# KiCad board cpu2.kicad_pcb (continued)
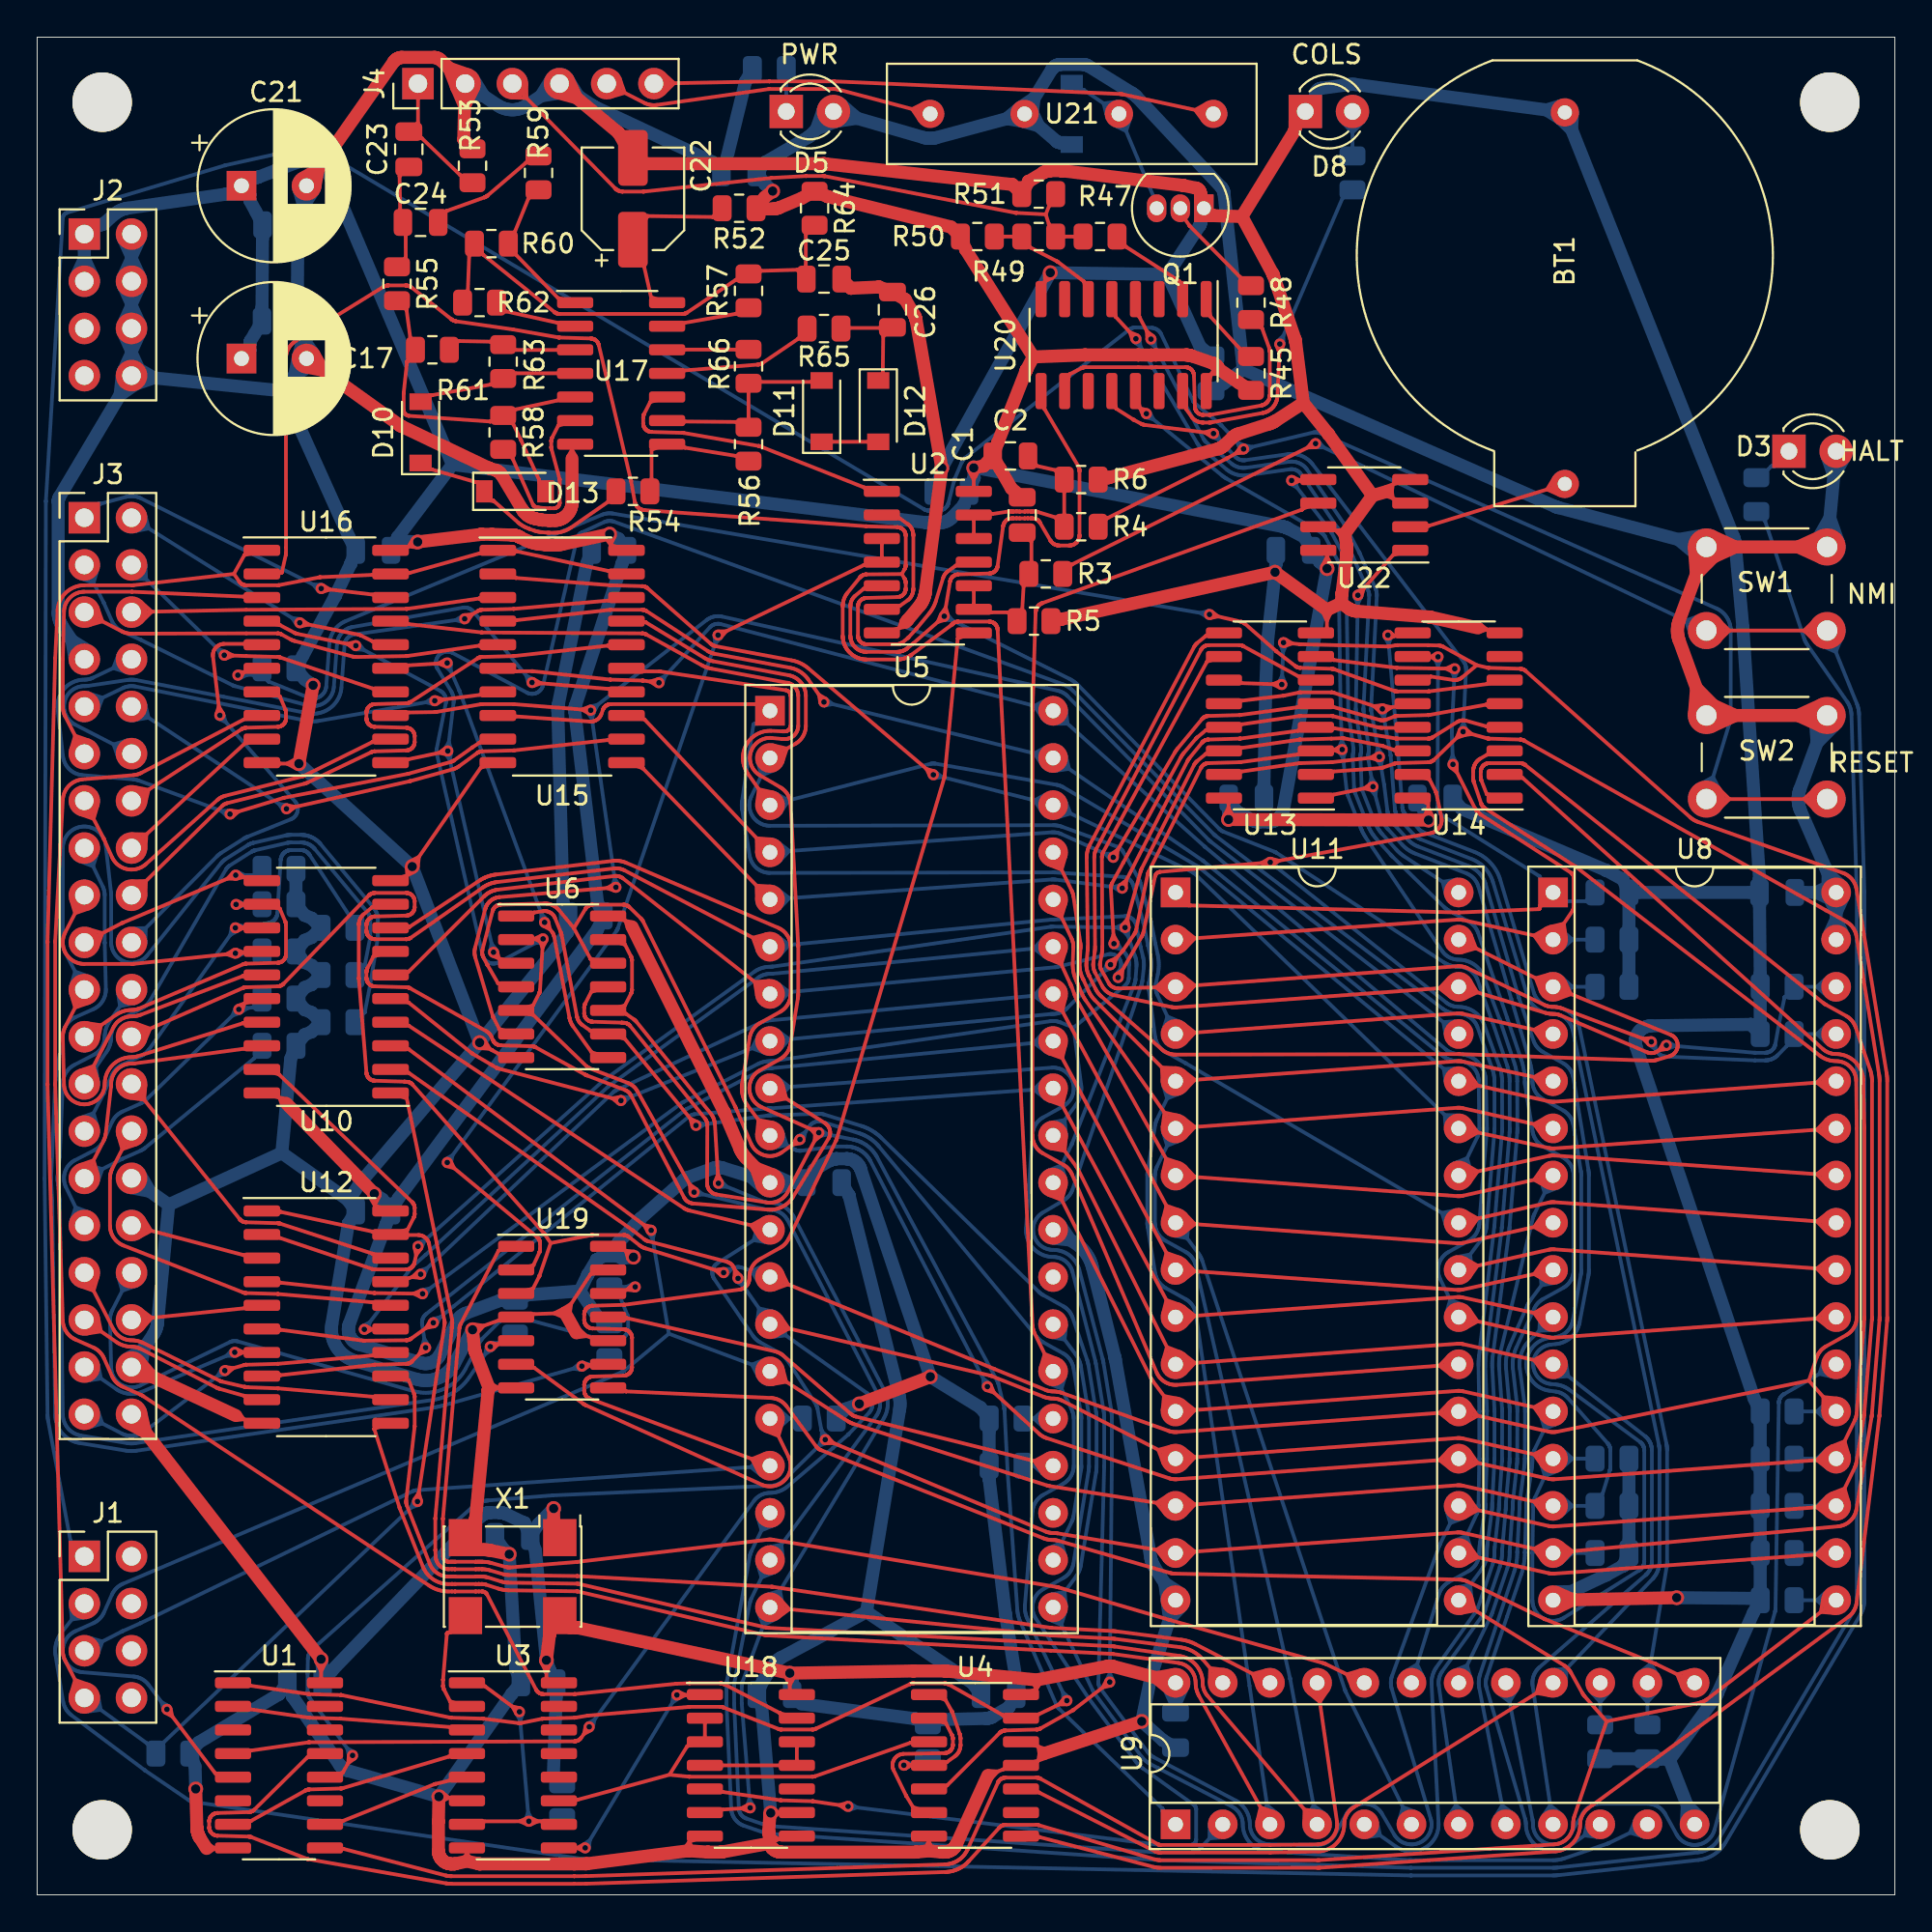
[diagram p0: board, top side]
## Routing (per net, layer and track width the routed paths; a pad name or vN(x,y) marks a point on that pad's centre or on a via; arc(x,y) is an arc through that point) (continued)
D6: length 163.6
  Top w0.2: 39.58,41.57 38.83,41.71 38.75,40.95 ; 77.09,23.88 77.53,23.25 76.87,22.87 ; 76.09,22.93 75.48,23.4 76.01,23.96 ; 39.45,40.88 38.23,42.51 38.19,42.57 38.15,42.64 38.11,42.7 38.07,42.77 38.04,42.84 38.02,42.91 37.99,42.98 37.97,43.06 37.96,43.13 37.94,43.21 37.93,43.28 37.93,43.36 37.93,43.44 37.93,43.51 37.94,43.59 37.95,43.66 38.35,46.14 38.36,46.2 38.38,46.25 38.4,46.31 38.42,46.36 38.44,46.42 38.46,46.47 38.49,46.52 38.52,46.57 38.56,46.62 38.59,46.67 38.63,46.71 38.67,46.75 38.72,46.79 38.76,46.83 38.81,46.87 38.86,46.9 38.91,46.93 39.99,47.53 40.04,47.56 40.09,47.6 40.14,47.63 40.19,47.67 40.24,47.72 40.28,47.76 40.32,47.81 40.36,47.86 40.39,47.91 40.42,47.96 40.45,48.02 40.47,48.08 40.5,48.13 40.52,48.19 40.53,48.25 40.54,48.31 40.55,48.37 40.56,48.44 40.56,48.5 40.56,51.04 40.56,51.1 40.55,51.16 40.54,51.22 40.53,51.28 40.52,51.34 40.5,51.4 40.48,51.46 40.45,51.52 40.42,51.57 40.39,51.62 40.36,51.68 40.32,51.73 40.28,51.77 40.24,51.82 40.2,51.86 40.15,51.9 40.1,51.94 40.05,51.97 40,52 39.94,52.03 39.89,52.06 31.72,55.55 31.65,55.58 31.59,55.6 31.53,55.62 31.46,55.64 31.39,55.65 31.33,55.66 31.26,55.66 31.19,55.67 31.12,55.67 31.06,55.67 30.99,55.66 24.71,54.93 24.66,54.92 24.61,54.91 24.57,54.9 24.52,54.89 24.48,54.88 24.43,54.87 24.4,54.87 24.35,54.85 24.3,54.83 24.24,54.82 24.19,54.8 24.14,54.77 24.09,54.75 24.05,54.74 24.01,54.71 23.97,54.69 23.93,54.67 23.89,54.65 23.85,54.62 23.81,54.6 20.07,52.12 20.05,52.11 20.03,52.11 20.01,52.11 19.91,52.11 19.02,52.06 ; 96.33,23.96 95.8,23.4 96.41,22.93 ; 79,60.31 79.96,60.12 79.97,60.12 96.12,45.54 96.16,45.5 96.2,45.47 96.24,45.44 96.29,45.41 96.33,45.39 96.38,45.36 96.43,45.34 96.48,45.32 96.53,45.31 96.58,45.29 96.63,45.28 96.68,45.27 96.73,45.27 96.79,45.26 96.84,45.26 96.92,45.26 97.01,45.25 97.09,45.24 97.17,45.22 97.25,45.2 97.33,45.17 97.41,45.14 97.49,45.11 97.56,45.07 97.63,45.03 97.7,44.98 97.77,44.93 97.83,44.87 97.89,44.81 97.95,44.75 98,44.69 98.05,44.62 98.09,44.55 98.13,44.48 98.17,44.4 98.2,44.32 98.23,44.25 98.25,44.17 98.27,44.08 98.29,44 98.3,43.92 98.3,43.83 98.36,41.3 98.36,41.26 98.36,31.1 98.36,31.05 98.36,31 98.36,30.98 97.95,25.93 97.94,25.88 97.94,25.84 97.93,25.79 97.92,25.75 97.9,25.71 97.89,25.66 97.88,25.62 97.86,25.58 97.84,25.53 U8.20 81.68,22.37 81.64,22.37 81.6,22.37 81.56,22.37 81.52,22.37 81.48,22.38 81.44,22.38 81.4,22.39 81.36,22.4 U11.20 61.36,22.37 61.31,22.37 61.26,22.37 61.22,22.37 61.17,22.38 61.12,22.38 61.07,22.39 61.03,22.4 60.98,22.41 60.93,22.43 54.34,24.58 54.3,24.6 54.26,24.62 54.21,24.64 54.17,24.66 54.13,24.68 54.09,24.7 54.05,24.73 54.01,24.76 53.98,24.79 53.94,24.82 v2(51.15,27.36) ; 96.58,24.13 97.29,24.42 97.51,23.68 ; 51.09,27.17 51.51,27.04 51.34,27.44
  Bottom w0.2: 51.27,27.52 50.93,27.79 50.95,27.35 ; R35.1 U8.20 ; 39.45,40.88 40.76,40.13 40.79,40.12 40.81,40.11 40.84,40.09 40.87,40.08 40.9,40.08 40.93,40.07 40.96,40.06 40.99,40.06 41.02,40.05 41.05,40.05 41.08,40.05 41.11,40.05 41.14,40.06 42.86,40.27 42.9,40.28 42.95,40.28 42.99,40.28 43.04,40.29 43.06,40.29 43.56,40.29 43.6,40.28 43.64,40.28 43.71,40.28 43.75,40.27 43.78,40.27 43.81,40.26 43.85,40.26 43.88,40.25 43.91,40.24 43.96,40.23 43.99,40.22 44.03,40.21 44.06,40.2 44.09,40.18 44.13,40.17 44.16,40.16 44.2,40.14 44.23,40.12 44.26,40.11 44.29,40.09 44.32,40.07 44.35,40.05 44.38,40.03 44.42,40 44.45,39.98 44.48,39.96 44.5,39.94 44.53,39.92 44.56,39.89 44.58,39.87 44.61,39.84 44.64,39.81 44.66,39.79 44.68,39.76 44.71,39.73 44.73,39.7 44.75,39.68 44.77,39.64 44.79,39.61 44.81,39.59 44.83,39.56 44.84,39.53 44.86,39.5 v2(51.15,27.36) ; 96.37,24 95.8,23.48 96.37,22.96 ; 40.11,41.1 40.35,40.36 39.6,40.2
D7: length 160.3
  Top w0.2: 76.87,25.41 77.53,25.79 77.09,26.42 ; 27.64,35.09 27.04,33.34 27.03,33.31 27.02,33.27 26.7,32.64 U19.3 ; 27.64,35.09 27.33,35.54 27.31,35.58 27.29,35.61 27.26,35.63 20.21,43.62 20.19,43.63 20.17,43.66 20.15,43.67 20.12,43.7 20.09,43.71 20.06,43.73 20.04,43.74 20.02,43.74 19.98,43.75 19.93,43.76 19.93,43.76 ; 27.64,35.09 29.82,35.51 29.86,35.52 29.9,35.52 29.91,35.52 31.56,35.52 31.59,35.52 31.62,35.52 31.65,35.51 31.67,35.51 31.7,35.5 31.73,35.49 31.77,35.47 ; 31.77,35.47 31.79,35.46 31.81,35.44 31.85,35.42 32.42,34.97 32.46,34.94 32.49,34.92 32.53,34.9 32.56,34.88 32.6,34.86 32.64,34.84 32.67,34.82 32.71,34.81 32.75,34.8 v2(36.95,33.49) ; 77.89,58.52 77.93,58.5 82.79,55.37 82.82,55.34 82.84,55.33 95.95,45.19 96.01,45.14 96.07,45.1 96.13,45.06 96.2,45.03 96.26,45 96.33,44.97 96.4,44.95 96.47,44.93 96.55,44.91 96.62,44.9 96.69,44.89 96.77,44.88 96.84,44.88 96.9,44.88 96.96,44.87 97.03,44.86 97.09,44.85 97.15,44.84 97.21,44.82 97.26,44.79 97.32,44.77 97.38,44.74 97.43,44.7 97.48,44.67 97.53,44.63 97.58,44.59 97.62,44.55 97.66,44.5 97.7,44.45 97.74,44.4 97.77,44.35 97.8,44.29 97.83,44.24 97.85,44.18 97.87,44.12 97.89,44.06 97.9,44 97.91,43.94 97.92,43.88 97.92,43.81 97.95,41.27 97.95,41.26 97.95,31.1 97.95,31.04 97.94,30.98 97.93,30.91 97.92,30.85 97.91,30.79 97.89,30.73 97.87,30.68 97.84,30.62 97.81,30.56 97.78,30.51 97.75,30.46 97.71,30.41 97.67,30.36 97.63,30.32 97.58,30.27 97.53,30.23 97.48,30.2 97.43,30.16 97.38,30.13 96.3,29.53 96.25,29.5 96.21,29.47 96.16,29.44 96.12,29.41 96.08,29.37 96.04,29.33 96,29.29 95.97,29.25 95.94,29.2 95.91,29.16 95.88,29.11 95.85,29.06 95.83,29.02 95.81,28.96 95.79,28.91 95.37,27.68 ; 39.69,32.6 40.41,32.86 40.08,33.56 ; 76.09,25.47 75.48,25.94 76.01,26.5 ; U5.13 51.54,28.3 51.54,28.3 54.28,27.18 54.32,27.16 54.37,27.15 54.41,27.14 54.46,27.12 54.5,27.12 54.55,27.11 54.6,27.1 54.64,27.1 54.74,27.1 54.8,27.09 54.86,27.09 54.91,27.08 54.96,27.07 55.02,27.06 55.07,27.05 55.13,27.03 55.18,27.01 60.91,24.97 60.95,24.96 61,24.95 61.04,24.94 61.09,24.93 61.13,24.92 61.18,24.91 61.22,24.91 61.27,24.91 61.31,24.91 61.36,24.91 U11.21 81.36,24.94 81.4,24.93 81.45,24.92 81.5,24.91 81.54,24.91 81.59,24.91 81.64,24.91 81.68,24.91 81.73,24.92 81.77,24.92 81.82,24.93 95.37,27.68 ; 36.93,33.69 36.5,33.64 36.82,33.35 ; 95.37,27.68 U8.21 ; 79,61.58 78.03,61.37 77.68,61.16 77.65,61.14 77.62,61.12 77.59,61.1 77.57,61.08 77.54,61.06 77.52,61.03 77.5,61.01 77.48,60.98 77.46,60.96 77.44,60.93 77.42,60.9 77.4,60.87 77.39,60.84 77.37,60.81 77.37,60.79 77.36,60.78 77.35,60.76 77.34,60.74 77.34,60.72 77.33,60.67 77.32,60.65 77.32,60.63 77.31,60.61 77.31,60.59 77.31,60.57 77.3,60.52 77.3,60.48 77.3,60.46 77.3,60.16 77.3,60.12 77.3,60.07 77.31,60.05 77.31,60.03 77.31,60.01 77.32,59.99 77.32,59.97 77.34,59.91 77.35,59.88 77.73,58.74 77.75,58.71 77.76,58.67 77.78,58.65 77.8,58.61 77.82,58.59 77.84,58.57 77.86,58.55 77.88,58.53 77.89,58.52 ; 96.14,26.03 96.15,26.8 96.92,26.72 ; U10.9 18.03,53.16 18.03,53.16 17.58,52.79 17.55,52.76 17.52,52.73 17.5,52.71 17.47,52.68 17.45,52.65 17.43,52.62 17.41,52.58 17.39,52.55 17.38,52.52 17.36,52.48 17.35,52.45 17.34,52.41 17.33,52.37 17.32,52.33 17.32,52.3 17.32,52.25 17.31,52.22 17.31,52.2 17.31,49.36 17.32,49.33 17.32,49.31 17.73,44.26 17.73,44.22 17.73,44.2 17.74,44.18 17.75,44.14 17.76,44.12 17.77,44.08 17.79,44.05 17.8,44.03 17.82,44 17.84,43.98 17.85,43.97 17.88,43.94 17.9,43.93 17.91,43.92 17.94,43.9 17.96,43.88 17.98,43.87 18.01,43.86 18.04,43.85 18.05,43.84 18.09,43.83 18.11,43.83 18.13,43.83 18.18,43.82 19.77,43.78 19.78,43.78 19.89,43.77 19.93,43.76
  Bottom w0.2: 38.84,32.92 38.46,33.59 39.16,33.9 ; U5.13 37.92,33.77 37.89,33.77 37.86,33.78 37.83,33.79 37.8,33.79 37.77,33.8 37.74,33.8 37.71,33.8 37.68,33.79 37.65,33.79 37.62,33.79 37.58,33.78 37.56,33.77 37.53,33.76 37.5,33.75 37.47,33.74 v2(36.95,33.49) ; 96.37,26.54 95.8,26.02 96.37,25.5 ; 37.11,33.37 37.39,33.7 36.95,33.69 ; U8.21 R36.1
F_A0: length 19.4
  Top w0.2: J3.26 10.9,36.37 10.92,36.35 10.95,36.32 10.97,36.31 10.98,36.3 11.01,36.28 11.04,36.26 11.05,36.25 11.09,36.24 11.11,36.23 11.13,36.22 11.16,36.21 11.19,36.21 11.21,36.21 11.25,36.2 12.94,36.16 12.99,36.15 13.02,36.15 13.04,36.14 13.08,36.13 18.06,34.51 18.06,34.51 19.02,34.28 ; 5.83,43.59 5.76,42.8 4.98,42.91
F_A1: length 23.2
  Top w0.2: 4.36,40.9 4.58,40.14 5.33,40.4 ; U12.16 18.04,31.9 12.98,32.34 12.94,32.35 11.25,32.39 11.23,32.4 11.2,32.4 11.17,32.4 11.15,32.41 11.11,32.42 11.1,32.42 4.66,34.95 4.6,34.98 4.54,35.01 4.48,35.04 4.42,35.07 4.37,35.11 4.32,35.15 4.27,35.2 4.22,35.25 4.18,35.3 4.14,35.35 4.1,35.4 4.07,35.46 4.04,35.52 4.01,35.58 3.99,35.64 3.97,35.7 3.95,35.77 3.94,35.83 3.93,35.9 3.92,35.96 3.92,36.03 3.92,38.57 3.92,38.62 3.92,38.67 3.93,38.72 3.94,38.77 3.95,38.82 3.96,38.87 3.97,38.91 3.99,38.96 4.01,39.01 4.03,39.05 4.05,39.1 J3.28
F_A2: length 21.3
  Top w0.2: v2(10.1,28.22) 11.12,28.51 11.16,28.53 11.19,28.53 11.24,28.54 11.25,28.54 12.94,28.58 12.96,28.59 18.04,29.03 U12.14 ; 10.23,28.07 10.56,28.35 10.13,28.42
  Bottom w0.2: 3.25,26.12 3.51,25.37 2.75,25.15 ; v2(10.1,28.22) 5.78,24.95 5.73,24.91 5.67,24.87 5.62,24.84 5.56,24.81 5.5,24.79 5.44,24.77 5.37,24.75 5.31,24.73 5.25,24.72 5.18,24.71 5.12,24.71 5.05,24.71 4.99,24.71 4.92,24.72 4.86,24.73 4.79,24.75 4.73,24.76 4.67,24.79 4.61,24.81 4.55,24.84 J3.39 ; 10.14,28.02 9.72,27.93 9.92,28.31
F_A3: length 20.7
  Top w0.2: J3.33 4.1,30.45 4.13,30.4 4.17,30.34 4.2,30.3 4.24,30.25 4.28,30.2 4.32,30.16 4.36,30.12 4.41,30.08 4.46,30.05 4.51,30.01 4.56,29.98 4.61,29.96 4.67,29.93 4.73,29.91 4.78,29.89 4.84,29.88 4.9,29.87 4.96,29.86 5.02,29.85 5.08,29.85 5.15,29.85 5.21,29.85 5.28,29.84 5.34,29.83 5.41,29.82 5.47,29.8 5.54,29.78 5.6,29.76 5.66,29.73 5.72,29.7 9.83,27.67 9.85,27.66 9.87,27.66 9.89,27.65 9.9,27.64 9.92,27.64 9.94,27.63 9.96,27.63 11.14,27.35 11.19,27.34 11.23,27.34 11.33,27.32 11.35,27.32 12.95,27.27 12.98,27.26 18.04,26.82 U12.12 ; 2.29,32.78 3.04,32.52 3.26,33.28
F_A4: length 8.8
  Top w0.2: 5.72,36.42 6.13,35.75 5.44,35.37 ; 12.1,34.28 11.11,34.44 11.11,34.44 J3.32
F_A5: length 8.6
  Top w0.2: 5.65,30.46 6.16,31.06 5.54,31.54 ; U12.5 11.11,31.57 J3.36
F_A6: length 13.7
  Top w0.2: 11.11,29.2 10.72,29.39 ; 11.11,29.2 v2(10.64,29.2) ; 11.11,29.2 11.21,29.2 U12.7 ; 11.11,29.2 10.72,29.02
  Bottom w0.2: 2.66,27.67 3.44,27.79 3.27,28.56 ; 10.49,29.34 10.19,29.02 10.63,29 ; v2(10.64,29.2) 5.64,27.08 5.57,27.05 5.5,27.03 5.43,27.01 5.35,26.99 5.28,26.98 5.2,26.97 5.13,26.97 5.05,26.97 4.97,26.97 4.9,26.98 4.82,26.99 4.75,27.01 4.67,27.03 4.6,27.05 4.53,27.08 4.46,27.11 4.39,27.14 4.32,27.18 4.26,27.22 J3.37
F_A7: length 12.2
  Top w0.2: U12.9 11.12,26.87 11.12,26.87 9.82,27.24 9.79,27.25 9.76,27.26 9.73,27.27 9.7,27.28 9.67,27.3 9.64,27.31 5.58,29.39 5.54,29.41 5.49,29.43 5.45,29.44 5.41,29.46 5.36,29.47 5.31,29.48 5.27,29.49 5.22,29.5 5.17,29.5 5.13,29.51 5.01,29.51 4.95,29.51 4.88,29.52 4.81,29.53 4.75,29.55 4.68,29.56 4.62,29.58 4.56,29.61 4.49,29.63 4.43,29.66 4.37,29.69 4.32,29.73 4.26,29.76 J3.35 ; 3.27,31.1 3.44,30.33 2.66,30.21
F_A8: length 42.5
  Top w0.2: 22.99,68.89 23.43,68.93 23.18,68.57 ; 31.72,69.84 30.74,69.67 25.66,69.23 25.64,69.22 23.95,69.18 23.91,69.17 23.88,69.17 23.85,69.16 23.82,69.15 23.79,69.15 23.75,69.12 23.73,69.11 v2(23.01,68.69)
  Bottom w0.2: v2(23.01,68.69) 17.07,67.85 17.04,67.84 17,67.84 16.97,67.83 16.94,67.81 16.91,67.8 16.87,67.79 16.84,67.77 16.82,67.75 16.79,67.73 16.76,67.71 16.73,67.69 16.71,67.66 16.69,67.64 16.67,67.61 16.65,67.58 16.63,67.55 16.61,67.52 16.6,67.49 16.58,67.46 16.57,67.42 16.56,67.39 16.56,67.36 16.55,67.32 16.55,67.29 16.38,65 16.37,64.91 16.36,64.82 16.34,64.74 16.31,64.65 16.28,64.57 16.25,64.48 16.21,64.4 16.17,64.33 16.12,64.25 16.07,64.18 16.01,64.11 15.95,64.04 15.89,63.98 15.82,63.92 15.75,63.87 15.67,63.82 15.6,63.77 15.52,63.73 15.44,63.7 15.35,63.66 15.27,63.64 15.18,63.62 15.09,63.6 15.01,63.59 14.92,63.58 14.83,63.58 14.74,63.59 14.65,63.59 14.56,63.61 10.03,64.49 10.03,64.5 5.35,65.39 5.3,65.4 5.24,65.4 5.19,65.41 5.14,65.41 5.08,65.41 5.03,65.41 4.97,65.41 4.92,65.4 4.87,65.4 2.75,65.08 2.72,65.08 2.68,65.07 2.65,65.07 2.61,65.07 2.58,65.07 2.54,65.07 2.47,65.06 2.4,65.06 2.34,65.05 2.27,65.03 2.21,65.01 2.14,64.99 2.08,64.96 2.02,64.93 1.96,64.9 1.9,64.86 1.85,64.82 1.8,64.78 1.75,64.73 1.7,64.68 1.66,64.63 1.62,64.57 1.59,64.51 1.55,64.45 1.53,64.39 1.5,64.33 1.48,64.26 1.47,64.19 1.45,64.13 1.45,64.06 1.44,63.99 1.44,63.92 1.45,63.86 1.46,63.79 1.47,63.72 1.49,63.66 1.51,63.59 1.54,63.53 1.56,63.47 1.6,63.41 1.63,63.35 1.67,63.3 1.72,63.24 1.76,63.19 1.81,63.15 1.87,63.1 1.92,63.06 1.98,63.03 2.04,62.99 J3.12 ; 22.9,68.86 22.54,68.62 22.96,68.5 ; 4.87,62.15 4.11,61.93 4.37,61.18
F_A9: length 38.4
  Top w0.2: 5.07,54.56 5.86,54.58 5.83,53.78 ; 31.72,67.3 30.83,67.25 30.73,67.24 30.72,67.24 25.7,66.69 25.65,66.68 25.64,66.68 23.95,66.64 23.91,66.63 23.88,66.63 23.85,66.62 23.82,66.61 23.79,66.6 23.75,66.58 23.72,66.57 23.72,66.57 20.1,64.21 20.08,64.2 20.03,64.18 20.01,64.17 19.99,64.16 19.96,64.15 19.93,64.15 19.91,64.15 19.87,64.14 18.18,64.1 18.13,64.09 18.1,64.09 18.08,64.08 18.04,64.07 18.02,64.06 17.98,64.05 17.95,64.03 17.93,64.02 17.9,64 17.88,63.98 17.86,63.96 17.84,63.94 17.82,63.92 17.8,63.88 17.78,63.86 17.76,63.82 17.75,63.79 17.74,63.77 17.73,63.73 17.73,63.71 17.73,63.66 17.72,63.63 17.72,63.34 17.73,63.31 17.73,63.27 17.73,63.25 17.74,63.23 17.75,63.19 17.76,63.17 17.77,63.13 17.79,63.1 17.8,63.08 17.82,63.05 17.84,63.03 17.85,63.02 17.88,62.99 17.9,62.98 17.91,62.97 17.94,62.95 17.96,62.93 17.98,62.92 18.01,62.91 18.04,62.9 18.05,62.89 18.09,62.88 18.11,62.88 18.13,62.88 18.18,62.87 19.87,62.83 19.91,62.82 19.94,62.82 19.97,62.81 20,62.8 20.03,62.79 20.07,62.78 20.09,62.76 20.11,62.75 20.14,62.73 20.16,62.71 20.18,62.7 20.2,62.67 20.22,62.65 20.23,62.64 20.25,62.61 20.26,62.59 20.27,62.57 20.29,62.54 20.3,62.51 20.3,62.5 20.31,62.46 20.32,62.44 20.32,62.42 20.32,62.38 20.32,62.37 20.32,62.06 20.32,62.04 20.32,62 20.31,61.98 20.31,61.96 20.3,61.92 20.29,61.9 20.28,61.88 20.27,61.85 20.25,61.83 20.24,61.81 20.22,61.78 20.21,61.76 20.19,61.75 20.17,61.72 20.15,61.71 20.13,61.7 20.11,61.68 20.08,61.66 20.07,61.65 20.03,61.64 20.01,61.63 19.99,61.62 19.96,61.61 19.93,61.61 19.91,61.61 19.87,61.6 18.18,61.56 18.13,61.55 18.1,61.55 18.08,61.54 18.04,61.53 18.02,61.52 17.98,61.51 14.57,59.88 14.54,59.87 14.51,59.85 14.47,59.84 14.44,59.83 14.4,59.82 14.36,59.81 10.23,58.77 10.2,58.76 10.18,58.75 10.15,58.74 10.12,58.73 10.09,58.71 10.07,58.7 10.04,58.68 10.02,58.67 10,58.65 9.97,58.63 9.95,58.61 J3.18
F_A10: length 40.6
  Top w0.2: 31.72,64.75 30.74,64.92 v2(26.64,65.26) ; 26.74,65.43 27.12,65.22 26.71,65.07
  Bottom w0.2: 26.45,65.21 26.33,65.63 26.73,65.44 ; v2(26.64,65.26) 23.48,69.08 23.46,69.1 23.44,69.13 23.41,69.15 23.39,69.17 23.36,69.19 23.33,69.21 23.3,69.23 23.27,69.24 23.24,69.25 23.21,69.27 23.18,69.28 23.14,69.28 23.11,69.29 23.08,69.3 23.04,69.3 23.01,69.3 22.97,69.3 22.94,69.29 22.91,69.29 16.98,68.25 16.92,68.24 16.87,68.22 16.81,68.2 16.76,68.18 16.7,68.16 16.65,68.13 16.6,68.1 16.55,68.07 16.51,68.03 16.46,67.99 16.42,67.95 16.38,67.91 16.34,67.86 16.31,67.81 16.28,67.76 16.25,67.71 16.22,67.66 16.2,67.6 16.18,67.55 16.17,67.49 16.15,67.43 16.14,67.38 16.14,67.32 15.97,65.03 15.97,64.96 15.95,64.9 15.94,64.84 15.92,64.77 15.9,64.71 15.88,64.65 15.85,64.59 15.82,64.53 15.78,64.48 15.74,64.43 15.7,64.38 15.65,64.33 15.61,64.28 15.56,64.24 15.51,64.2 15.45,64.16 15.39,64.13 15.34,64.1 15.28,64.07 15.21,64.05 15.15,64.03 15.09,64.02 15.02,64 14.96,64 14.89,63.99 14.83,63.99 14.76,63.99 14.7,64 14.63,64.01 14.57,64.03 10.65,65.06 10.61,65.07 10.58,65.09 10.55,65.1 10.53,65.11 5.59,67.55 5.55,67.57 4.61,67.99 4.55,68.02 4.5,68.05 4.45,68.08 4.4,68.11 4.35,68.15 4.3,68.19 4.26,68.23 4.22,68.27 4.18,68.32 4.14,68.37 4.11,68.42 4.08,68.47 4.05,68.52 4.02,68.58 3.6,69.52 3.59,69.55 3.57,69.58 J3.3 ; 2.29,70.88 3.04,70.62 3.26,71.38
F_A11: length 32.2
  Top w0.2: 13.46,58.66 13.89,58.57 13.54,58.3 ; v2(13.42,58.46) 20.04,59.94 20.07,59.95 20.1,59.96 22.38,60.59 22.42,60.6 22.46,60.62 22.49,60.63 22.53,60.65 22.57,60.66 22.6,60.68 22.64,60.7 22.67,60.73 22.71,60.75 23.68,61.46 23.71,61.48 23.74,61.5 23.78,61.52 23.8,61.53 23.83,61.54 23.86,61.55 23.89,61.55 23.94,61.56 23.95,61.56 25.64,61.6 25.66,61.61 25.7,61.61 30.72,62.16 30.73,62.16 30.83,62.16 31.72,62.22
  Bottom w0.2: 13.45,58.66 13.02,58.73 13.25,58.36 ; 5.81,64.14 5.99,63.37 5.21,63.23 ; J3.10 v2(13.42,58.46)
F_A12: length 21.3
  Top w0.2: 24.8,69.84 23.91,69.78 23.8,69.78 23.8,69.78 19.93,69.23 19.91,69.23 19.87,69.22 19.86,69.22 11.26,69.18 11.25,69.18 J3.6 ; 5.58,69.6 6.17,69.07 5.61,68.52
F_A13: length 24.4
  Top w0.2: 24.8,67.3 23.91,67.25 23.8,67.24 23.8,67.24 19.93,66.69 19.91,66.69 19.87,66.68 17.17,66.63 17.15,66.63 17.12,66.64 17.1,66.64 17.08,66.64 17.06,66.64 17.04,66.65 17.02,66.65 17,66.66 13.87,67.49 13.84,67.5 13.8,67.51 13.77,67.52 13.74,67.54 13.71,67.55 13.68,67.57 13.64,67.58 13.16,67.85 13.13,67.86 13.1,67.87 13.08,67.88 13.03,67.9 13.01,67.9 12.96,67.91 12.94,67.91 11.26,67.91 5.08,67.89 5.03,67.89 4.98,67.89 4.93,67.9 4.88,67.91 4.83,67.92 4.78,67.93 4.74,67.94 4.69,67.96 4.64,67.98 4.6,68 4.55,68.02 J3.5 ; 2.75,68.33 3.51,68.55 3.25,69.3
F_A14: length 26.1
  Top w0.2: v2(21.4,64.28) 23.81,64.59 24.8,64.75 ; 21.46,64.47 21.88,64.34 21.51,64.11
  Bottom w0.2: 3.24,63.7 3.52,64.44 2.77,64.68 ; 21.35,64.09 20.93,64.2 21.29,64.44 ; J3.9 4.61,64.96 4.66,64.98 4.71,65 4.76,65.02 4.81,65.03 4.86,65.05 4.92,65.05 4.97,65.06 5.02,65.07 5.08,65.07 5.13,65.07 5.19,65.06 5.24,65.05 5.3,65.05 14.47,63.21 14.55,63.19 14.63,63.18 14.71,63.18 14.79,63.17 14.87,63.17 14.95,63.17 15.03,63.18 15.11,63.19 15.19,63.2 v2(21.4,64.28)
F_A15: length 36
  Top w0.2: 24.8,62.22 23.82,62.03 23.81,62.02 23.43,61.77 23.41,61.76 22.46,61.08 22.44,61.06 22.42,61.05 22.4,61.04 22.38,61.03 22.36,61.02 22.34,61.01 22.31,61 22.29,60.99 22.27,60.99 19.99,60.35 19.95,60.34 19.94,60.34 13.31,59.06 13.28,59.05 13.24,59.04 v2(10.38,58.18) ; 10.41,58.37 10.84,58.32 10.51,58.03
  Bottom w0.2: J3.8 3.01,65.52 2.97,65.5 2.92,65.48 2.88,65.47 2.83,65.45 2.78,65.44 2.73,65.43 2.69,65.42 2.64,65.42 2.59,65.41 2.54,65.41 2.46,65.41 2.37,65.4 2.29,65.39 2.21,65.37 2.13,65.35 2.05,65.33 1.97,65.3 1.89,65.26 1.82,65.22 1.75,65.18 1.68,65.13 1.61,65.08 1.55,65.02 1.49,64.96 1.44,64.9 1.38,64.83 1.34,64.77 1.29,64.7 1.25,64.62 1.22,64.55 1.19,64.47 1.16,64.39 1.14,64.31 1.12,64.23 1.11,64.14 1.1,64.06 1.1,63.98 1.1,63.89 1.11,63.81 1.39,61.3 1.4,61.23 1.41,61.17 1.43,61.11 1.45,61.04 1.47,60.98 1.5,60.92 1.53,60.86 1.56,60.8 1.6,60.75 1.64,60.7 1.69,60.65 1.73,60.6 1.78,60.55 1.83,60.51 1.89,60.47 1.94,60.44 2,60.4 2.06,60.37 2.12,60.35 2.18,60.33 2.25,60.31 2.31,60.29 2.38,60.28 2.44,60.27 5.18,60.05 5.22,60.04 5.25,60.04 5.29,60.03 5.33,60.02 5.37,60.01 5.41,60 5.44,59.99 5.48,59.98 v2(10.38,58.18) ; 4.38,66.78 4.1,66.04 4.85,65.8 ; 10.36,58.38 9.93,58.34 10.24,58.03
F_D0: length 29.4
  Top w0.2: U10.18 11.11,45.54 5.27,44.76 5.23,44.75 5.2,44.75 5.16,44.75 5.12,44.75 5.08,44.75 5.02,44.74 4.95,44.74 4.89,44.73 4.83,44.72 4.77,44.7 4.7,44.68 4.65,44.66 4.59,44.63 4.53,44.6 4.48,44.57 4.43,44.53 4.38,44.49 4.33,44.45 4.28,44.4 4.24,44.35 4.2,44.3 4.16,44.25 4.13,44.2 4.1,44.14 4.07,44.08 4.05,44.03 4.03,43.96 4.01,43.9 4,43.84 3.99,43.78 3.99,43.71 3.98,43.65 3.98,43.62 3.98,43.59 3.98,43.55 3.98,43.52 3.97,43.49 3.69,40.98 3.69,40.93 3.68,40.89 3.67,40.84 3.66,40.8 3.64,40.75 3.63,40.71 3.61,40.66 3.59,40.62 3.57,40.58 J3.29 ; 2.29,39.28 3.04,39.54 3.26,38.78
  Bottom w0.2: R37.1 11.7,45.05 11.69,45.04 5.82,40.21 5.79,40.19 5.75,40.17 5.72,40.14 5.69,40.12 5.66,40.1 5.62,40.08 5.59,40.07 5.55,40.05 4.61,39.63 4.58,39.62 4.55,39.6 J3.29 ; 2.75,39.29 3.51,39.07 3.25,38.32
F_D1: length 64
  Top w0.2: 1.82,48.52 2.04,47.76 2.79,48.02 ; U10.17 11.21,46.92 11.11,46.92 11.08,46.92 11.08,46.92 5.41,45.14 5.37,45.13 5.33,45.12 5.29,45.11 5.25,45.11 5.2,45.1 5.16,45.1 5.12,45.09 5.08,45.09 5,45.09 4.91,45.08 4.83,45.07 4.75,45.05 4.67,45.03 4.59,45.01 4.51,44.98 4.43,44.94 4.36,44.9 4.29,44.86 4.22,44.81 4.15,44.76 4.09,44.7 4.03,44.64 3.97,44.58 3.92,44.51 3.87,44.44 3.83,44.37 3.79,44.3 3.75,44.22 3.72,44.14 3.7,44.06 3.68,43.98 3.66,43.9 3.65,43.82 3.64,43.73 3.64,43.65 3.63,43.58 3.63,43.51 3.62,43.45 3.6,43.38 3.58,43.31 3.56,43.25 3.53,43.19 3.5,43.13 3.47,43.07 3.43,43.01 3.39,42.96 3.34,42.9 3.3,42.86 3.24,42.81 3.19,42.77 3.14,42.73 3.08,42.69 3.02,42.66 2.95,42.63 2.89,42.61 2.82,42.59 2.76,42.58 2.69,42.56 2.62,42.56 2.55,42.55 2.49,42.55 2.42,42.56 2.35,42.57 2.28,42.58 2.22,42.6 2.15,42.62 2.09,42.65 2.03,42.68 1.97,42.71 1.91,42.75 1.86,42.79 1.8,42.84 1.75,42.88 1.71,42.93 1.67,42.99 1.63,43.04 1.59,43.1 1.56,43.16 1.53,43.22 1.5,43.29 1.48,43.35 1.47,43.42 1.46,43.49 1.45,43.55 1.44,43.62 1.38,46.16 1.38,46.21 1.38,46.27 1.39,46.32 1.39,46.37 1.4,46.42 1.42,46.47 1.43,46.52 1.45,46.57 1.46,46.62 1.49,46.67 1.51,46.72 J3.21
  Bottom w0.2: 18.18,53.04 18.15,53.09 18.12,53.12 18.12,53.13 15.26,56.56 15.23,56.6 15.2,56.63 15.16,56.67 15.13,56.69 15.11,56.72 15.08,56.74 15.06,56.76 15.03,56.78 15.01,56.8 14.97,56.82 14.94,56.84 14.91,56.86 14.89,56.88 14.86,56.89 14.83,56.91 14.8,56.92 14.76,56.94 14.73,56.95 14.7,56.97 14.67,56.98 14.64,56.99 14.61,57 14.55,57.01 14.5,57.03 14.47,57.03 14.44,57.04 14.4,57.05 14.37,57.05 14.34,57.05 14.27,57.06 14.23,57.06 14.2,57.06 13.67,57.06 13.63,57.06 13.59,57.06 13.57,57.06 ; J3.21 1.51,50.74 1.49,50.79 1.47,50.83 1.45,50.88 1.43,50.93 1.42,50.97 1.41,51.02 1.4,51.07 1.39,51.12 1.38,51.17 1.38,51.22 1.38,51.27 1.38,56.35 1.38,56.42 1.39,56.49 1.4,56.56 1.42,56.63 1.43,56.7 1.46,56.77 1.49,56.84 1.52,56.9 1.55,56.96 1.59,57.02 1.64,57.08 1.68,57.13 1.73,57.19 1.79,57.23 1.84,57.28 1.9,57.32 1.96,57.36 2.03,57.39 2.09,57.42 2.16,57.45 2.23,57.47 2.3,57.48 2.37,57.5 2.44,57.51 2.51,57.51 2.58,57.51 2.65,57.5 2.73,57.5 2.8,57.48 2.87,57.46 2.93,57.44 3,57.41 3.07,57.38 3.13,57.35 3.19,57.31 3.25,57.27 3.3,57.22 3.36,57.18 3.4,57.12 3.45,57.07 3.49,57.01 3.53,56.95 3.57,56.89 3.6,56.82 3.63,56.76 3.65,56.69 3.67,56.62 3.68,56.55 3.69,56.48 3.97,53.97 3.98,53.94 3.98,53.91 3.98,53.87 3.98,53.84 3.98,53.81 3.98,51.27 3.99,51.2 3.99,51.14 4,51.07 4.01,51.01 4.03,50.95 4.05,50.88 4.08,50.82 4.11,50.76 4.14,50.7 4.18,50.65 4.21,50.6 4.26,50.55 4.3,50.5 4.35,50.45 4.4,50.41 4.45,50.37 4.51,50.33 4.57,50.3 4.63,50.27 4.69,50.25 4.75,50.22 4.81,50.21 4.88,50.19 4.94,50.18 5.01,50.18 5.07,50.17 5.14,50.17 5.2,50.18 5.27,50.19 5.33,50.2 5.4,50.22 5.46,50.24 5.52,50.27 5.58,50.29 5.64,50.33 5.69,50.36 5.75,50.4 5.8,50.44 5.85,50.49 5.89,50.53 5.94,50.58 9.89,55.53 9.92,55.56 9.95,55.59 9.98,55.62 10.01,55.65 10.04,55.68 10.07,55.7 10.11,55.73 10.14,55.75 11.33,56.51 11.37,56.52 11.4,56.54 11.46,56.57 11.48,56.58 11.49,56.59 11.51,56.59 11.53,56.6 11.55,56.61 11.63,56.63 11.64,56.63 13.37,57.03 13.4,57.03 13.42,57.04 13.45,57.04 13.47,57.05 13.5,57.05 13.57,57.06 ; R38.1 17.61,47.49 17.63,47.5 17.64,47.52 17.64,47.52 17.92,48.96 17.92,48.97 18.33,51.45 18.33,51.49 18.34,51.55 18.34,51.59 18.34,51.61 18.34,52.5 18.34,52.54 18.34,52.57 18.33,52.61 18.33,52.63 18.33,52.65 18.33,52.67 18.32,52.69 18.32,52.71 18.31,52.73 18.3,52.78 18.3,52.8 18.29,52.82 18.28,52.84 18.28,52.86 18.27,52.88 18.26,52.9 18.24,52.93 18.23,52.95 18.22,52.97 18.21,52.99 18.2,53.01 18.19,53.03 18.18,53.04 ; 2.79,49.44 2.04,49.7 1.82,48.94
